# Altium PCB pay-ssm-v4-3.PcbDoc (part 3 of 4)
Units mm, origin at the board's own origin, x right, y up, seen from the top; angles counter-clockwise.
Board outline 127 x 55.12 mm, 6 copper layers (Top Layer, GND1, VCC, 3V3, GND2, Bottom Layer), stack 0.816 mm thick; 295 components, 220 nets, 1035 pads, 545 vias.
Unrouted connection lines stored in the file: 2.
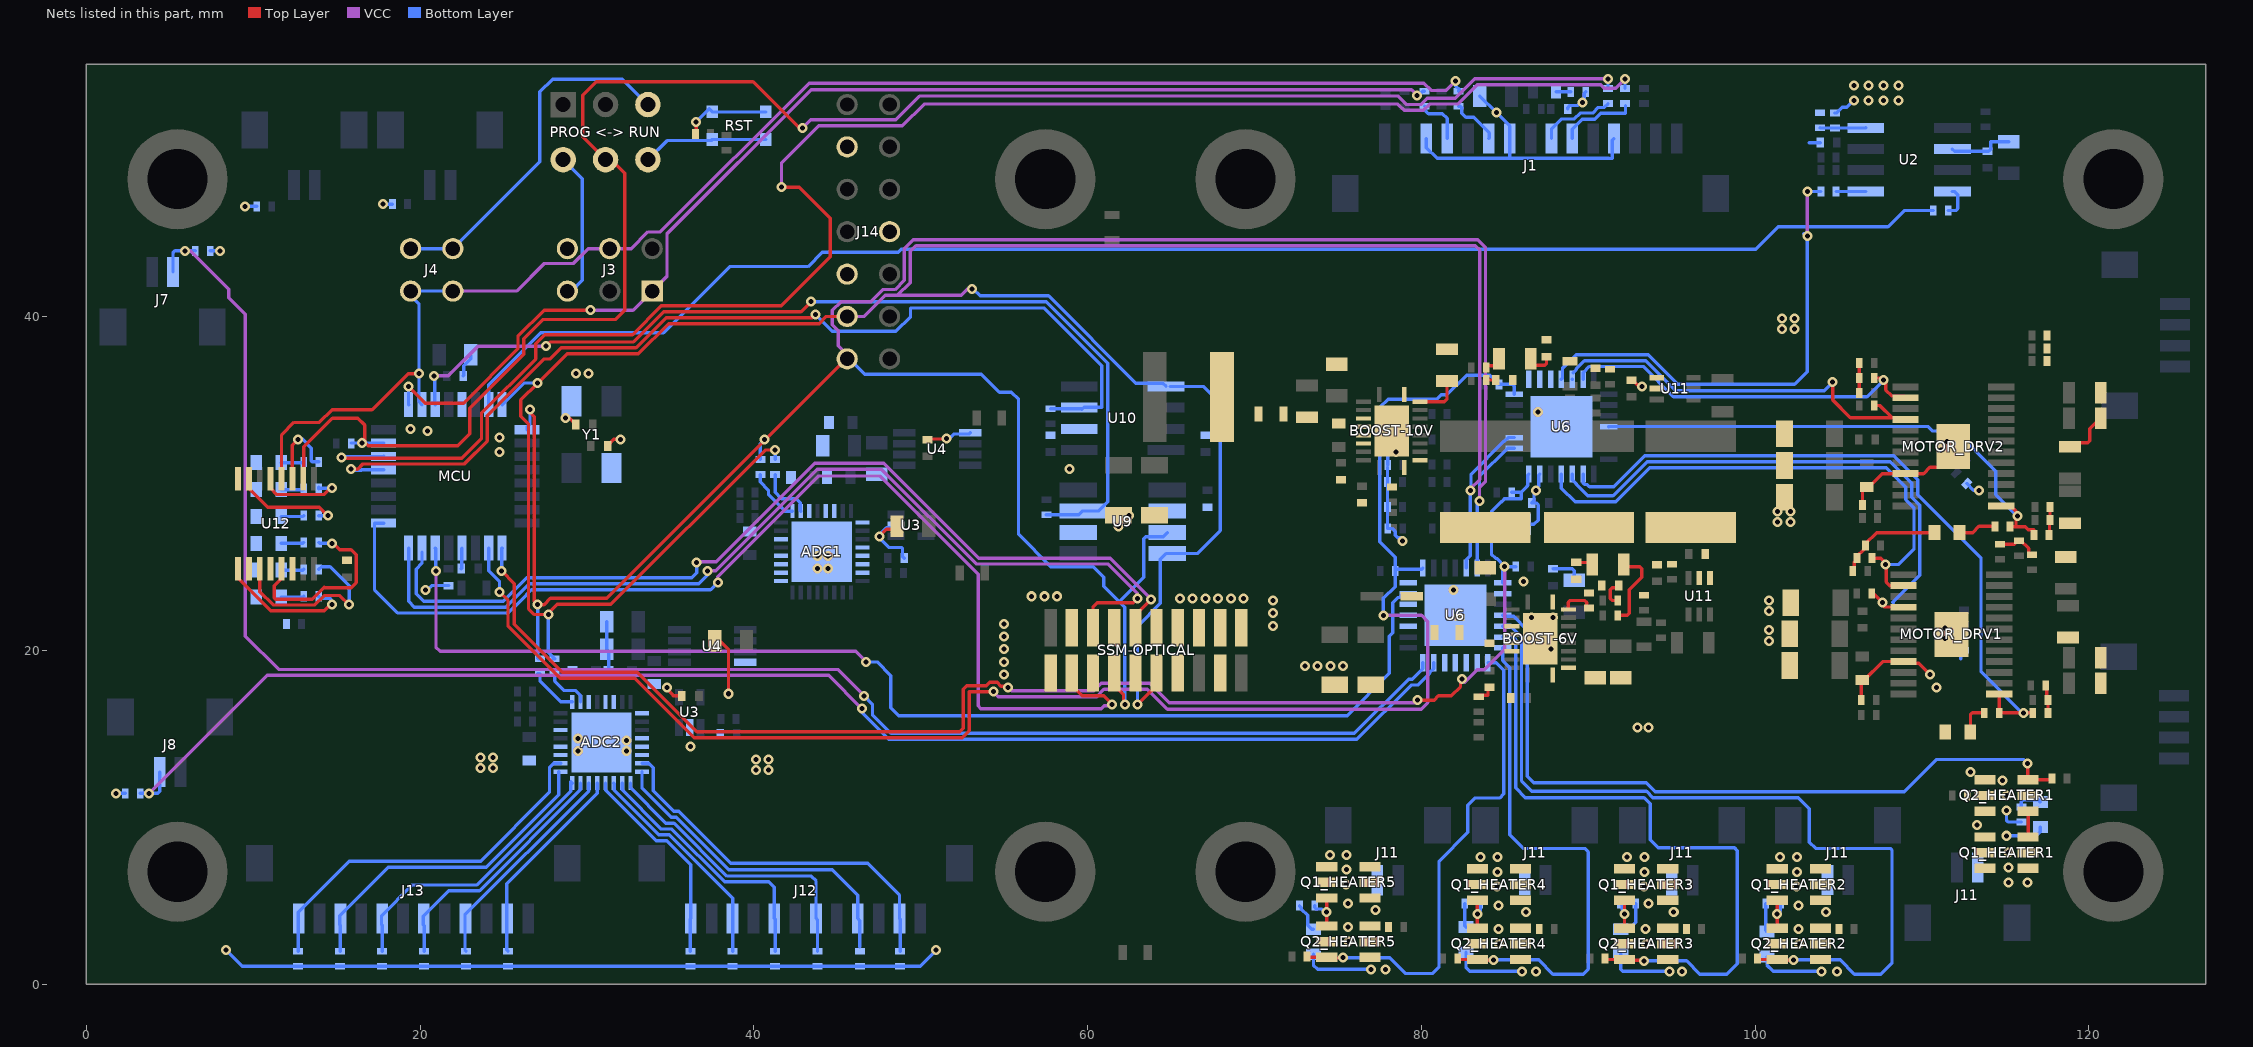
[diagram p7: the nets of this part, all layers, seen from the top]

## Via types
v1: diameter 0.6, hole 0.3, Top Layer to Bottom Layer, tented both sides, 545 vias

## Nets (pads, with @x,y where several pads share a name; then routed paths per layer and width w, separated by ;. In a path a pad name is that pad's centre, name@x,y a point inside that pad or via, vN(x,y) a via of type N, cw(c..) or ccw(c..) an arc to the next point about the centre after c; other vN are vias at no path point) (continued)
GND: ADC1.1 ADC1.4 ADC1.5 ADC1.6 ADC1.7 ADC1.17 ADC1.18 ADC1.19 ADC1.20 ADC1.22 ADC1.27 ADC1.30 ADC1.33 ADC2.1 ADC2.4 ADC2.5 ADC2.6 ADC2.19 ADC2.20 ADC2.22 ADC2.27 ADC2.30 ADC2.33 BOOST-6V.11 BOOST-6V.12 BOOST-6V.20 BOOST-6V.21 BOOST-10V.11 BOOST-10V.12 BOOST-10V.20 BOOST-10V.21 C1.1 C2.1 C3.1 C4.1 C5.1 C6.1 C7.1 C8.1 C9.1 C10.1 C11.1 C12.1 C13.1 C14.1 C15.1 C16.1 C17.1 C18.1 C20.1 C21.1 C22.1 C23.1 C24.1 C25.1 C26.1 C27.1 C28.1 C29.1 C30.1 C32.1 C33.1 C34.1 C35.1 C37.1 C38.1 C39.1 C40.2 C41.1 C41_Port_Expander1.1 C41_Port_Expander2.1 C42.2 C43.1 C44.2 C45.1 C46.1 C47.1 C48.1 C49.1 C50.1 C51.1 C52.1 C53.1 C55.1 D2.2 D3.2 D4.2 D5.2 D6.2 D7.2 D8_HEATER1.2 D8_HEATER2.2 D8_HEATER3.2 D8_HEATER4.2 D8_HEATER5.2 J1.3 J1.7 J1.12 J3.6 J14.3 J14.8 J14.9 MCU.5 MCU.20 MOTOR_DRV1.21 MOTOR_DRV1.25 MOTOR_DRV2.21 MOTOR_DRV2.25 nSLEEP.2 Q1_HEATER1.4 Q1_HEATER2.4 Q1_HEATER3.4 Q1_HEATER4.4 Q1_HEATER5.4 Q2_HEATER1.4 Q2_HEATER2.4 Q2_HEATER3.4 Q2_HEATER4.4 Q2_HEATER5.4 R18.1 R29.1 R34.1 R35.1 R44.2 R45.2 R46.2 R47.2 R50.1 R51.2 R52.1 R53.1 R54.1 R55.1 R56.1 R57.1 R58.1 R59.1 R60.1 R61.1 R62.1 R63.1 R72.1 R73.1 R74.1 R78_AmbientTemp.1 R78_BST6V.1 R78_BST10V.1 R78_MF_THM1_6.1 R78_MF_THM1_7.1 R78_MF_THM1_8.1 R78_MF_THM1_9.1 R78_MF_THM1_10.1 R78_MF_THM1_11.1 R78_MF_THM2_12.1 R78_MF_THM2_13.1 R78_MF_THM2_14.1 R78_MF_THM2_15.1 R78_MF_THM2_16.1 R78_MF_THM2_17.1 R78_MOT_DRV1.1 R78_MOT_DRV2.1 R79.1 R88.1 R93.1 R94.1 R95.1 RST.2 SSM-OPTICAL.2 SSM-OPTICAL.3 SSM-OPTICAL.6 SSM-OPTICAL.7 SSM-OPTICAL.10 SSM-OPTICAL.11 SSM-OPTICAL.13 SSM-OPTICAL.14 SSM-OPTICAL.15 SSM-OPTICAL.17 SSM-OPTICAL.18 SSM-OPTICAL.19 U2.2 U3.2 U4.4 U6.6 U6.29 U9.2 U9.6 U10.2 U11.1 U11.2 U12.8 Y1.2 Y1.4 | length 165.8
  Top Layer w0.2: v1(28.702,33.909) 28.956,33.909 C5.1@29.337,33.528 ; C6.1@31.234,32.258 31.615,32.639 v1(32.004,32.639) ; v1(34.798,17.78) 34.798,17.693 35.179,17.312 35.179,17.272 C10.1@35.695,17.272 ; R78_AmbientTemp.1@36.507,50.927 36.542,50.962 v1(36.542,51.655) ; C12.1@37.658,20.574 37.973,20.574 38.481,20.066 v1(38.481,17.399) ; v1(47.526,26.825) 47.95,27.249 48.397,27.249 C12.1@48.58,27.432 ; C10.1@50.419,32.631 50.45,32.662 51.512,32.662 v1(51.543,32.694) ; R78_BST6V.1@83.439,17.214 83.534,17.309 83.993,17.309 83.993,17.707 C32.1@84.074,17.788 ; C45.1@92.583,36.187 92.658,36.187 92.954,35.891 93.141,35.891 v1(93.218,35.814) ; R51.2@105.849,24.765 105.949,24.865 105.949,25.273 106.103,25.427 R52.1@106.103,25.527 106.103,25.627 106.511,26.035 106.511,26.189 R60.1@106.611,26.289 106.611,26.389 107.273,27.051 nSLEEP.2@110.744,27.051 ; R51.2@106.23,35.433 R52.1@106.23,36.322 R60.1@106.23,37.211 ; R50.1@106.357,17.018 106.357,18.154 C40.2@106.426,18.223 106.526,18.223 107.633,19.33 MOTOR_DRV1.21@108.89,19.33 108.995,19.225 109.807,19.225 v1(110.49,18.542) ; R50.1@106.43,28.702 106.43,29.58 106.63,29.78 C40.2@106.695,29.78 106.795,29.78 107.604,30.589 MOTOR_DRV2.21@109.006,30.589 110.091,30.589 110.476,30.974 110.963,30.974 111.876,31.886 MOTOR_DRV2.25@111.876,32.214 ; R61.1@114.681,26.358 115.517,26.358 115.724,26.565 R59.1@115.824,26.565 115.924,26.565 116.386,26.103 116.386,25.823 116.486,25.723 R58.1@116.586,25.723 ; R62.1@117.417,17.907 117.48,17.843 117.48,17.081 R63.1@117.544,17.018 R53.1@117.544,16.256 ; R53.1@117.613,26.924 117.642,26.953 117.642,27.784 R63.1@117.671,27.813 R62.1@117.671,28.575 ; R57.1@118.872,32.192 119.122,32.442 119.933,32.442 120.05,32.559 120.05,33.269 120.651,33.87 120.711,33.87 R54.1@120.711,33.909
  Bottom Layer w0.2: v1(1.778,11.43) R45.2@2.344,11.43 ; R44.2@7.435,43.942 v1(8.001,43.942) ; v1(8.382,2.032) 9.34,1.074 R78_MF_THM2_17.1@12.7,1.074 R78_MF_THM2_16.1@15.215,1.074 R78_MF_THM2_15.1@17.729,1.074 R78_MF_THM2_14.1@20.244,1.074 R78_MF_THM2_13.1@22.758,1.074 R78_MF_THM2_12.1@25.273,1.074 R78_MF_THM1_11.1@36.195,1.074 R78_MF_THM1_10.1@38.735,1.074 R78_MF_THM1_9.1@41.275,1.074 R78_MF_THM1_8.1@43.815,1.074 R78_MF_THM1_7.1@46.355,1.074 R78_MF_THM1_6.1@48.768,1.074 49.969,1.074 v1(50.927,2.032) ; v1@9.652,46.609 R46.2@10.218,46.609 ; v1(17.78,46.736) R47.2@18.346,46.736 ; v1(20.32,23.622) 20.428,23.622 20.69,23.884 C4.1@21.717,23.884 ; C3.1@22.479,24.892 22.498,24.911 22.498,26.104 MCU.20@22.516,26.123 ; C2.1@22.598,36.449 22.628,36.479 22.628,37.049 23.048,37.469 C1.1@23.048,37.719 ; C14.1@31.181,21.717 C18.1@31.181,20.066 31.304,19.943 C15.1@31.304,18.669 ; v1(36.542,51.655) 36.542,51.668 37.325,52.451 RST.2@37.516,52.26 RST.2@40.716,52.26 ; U3.2@48.523,27.482 48.388,27.347 47.946,27.347 47.526,26.927 v1(47.526,26.825) 47.526,26.738 48.101,26.162 48.874,26.162 48.909,26.127 48.909,25.632 C11.1@49.014,25.527 ; v1(51.543,32.694) 51.725,32.694 51.997,32.966 52.903,32.966 U4.4@52.972,33.035 ; D8_HEATER5.2@73.533,1.79 73.533,1.14 73.784,0.889 v1(76.989,0.889) ; R74.1@77.973,30.983 77.973,30.104 R74.1@77.967,30.099 R73.1@77.967,28.575 77.967,27.316 R72.1@77.978,27.305 78.242,27.305 78.426,27.121 78.426,26.9 78.573,26.753 78.794,26.753 78.867,26.68 v1(78.867,26.543) ; R74.1@77.973,31.11 R74.1@77.978,31.115 77.978,31.877 ; R72.1@77.978,34.163 R73.1@77.978,32.639 77.978,31.877 ; v1(78.486,31.877) 77.978,31.877 ; J1.3@80.297,50.673 80.297,50.123 80.943,49.477 85.297,49.477 ; D8_HEATER4.2@82.677,1.917 82.677,0.981 82.896,0.762 v1(86.017,0.762) ; C55.1@83.505,53.213 v1(84.488,52.23) 85.297,51.421 J1.7@85.297,50.673 85.297,49.477 ; C41_Port_Expander1.1@86.172,27.559 86.182,27.549 86.741,27.549 86.995,27.803 86.995,28.712 86.878,28.829 C41.1@86.622,28.829 86.747,28.954 86.747,29.343 86.878,29.473 v1(86.878,29.581) 86.878,29.69 87.027,29.839 87.027,30.501 U6.6@87.092,30.566 ; C41.1@87.884,24.884 87.892,24.892 89.037,24.892 89.154,24.775 C41_Port_Expander2.1@89.154,24.191 ; C53.1@88.765,52.451 88.765,52.526 88.89,52.651 89.373,52.651 89.554,52.832 v1(89.662,52.832) 89.662,52.94 89.758,53.036 89.758,53.367 R95.1@89.858,53.467 ; J1.12@91.547,50.673 91.44,50.566 91.44,49.473 91.243,49.473 91.239,49.477 85.297,49.477 ; D8_HEATER3.2@91.948,1.79 91.948,0.879 92.065,0.762 v1(94.869,0.762) ; D8_HEATER2.2@100.711,1.651 100.711,1.143 101.092,0.762 v1(103.982,0.762) ; 103.251,50.419 C9.1@103.894,50.419 ; R18.1@104.775,52.197 104.875,52.197 105.213,52.535 105.494,52.535 v1(105.918,52.959) ; U2.2@111.82,50.038 111.955,49.903 C8.1@113.919,49.903 113.987,49.903 114.112,50.028 114.112,50.48 C7.1@115.189,50.48 ; 112.322,19.485 112.322,19.897 112.422,19.997 R78_MOT_DRV1.1@112.522,19.997 ; R78_MOT_DRV2.1@112.676,29.998 113.083,29.591 v1(113.411,29.591) ; v1(115.062,8.89) 116.85,8.89 117.094,9.134 D8_HEATER1.2@117.094,9.41
  other v1: 86.868,0.762 95.631,0.762 104.902,0.762 77.851,0.889 86.271,4.318 95.123,4.318 104.236,4.318 77.243,4.445 84.62,4.699 102.585,4.699 75.592,4.826 93.599,4.826 113.284,9.525 114.808,12.192 112.903,12.7 40.132,12.827 40.894,12.827 23.622,12.954 24.384,12.954 40.132,13.462 40.894,13.462 23.622,13.589 24.384,13.589 29.464,13.97 32.385,13.97 36.195,14.224 32.385,14.605 29.464,14.732 92.964,15.367 93.599,15.367 110.871,17.78 54.991,18.542 73.025,19.05 73.787,19.05 74.549,19.05 75.311,19.05 54.991,19.304 54.991,20.066 87.757,20.066 100.838,20.574 111.379,20.701 54.991,20.828 100.838,21.209 111.379,21.336 71.12,21.463 54.991,21.59 86.614,21.971 87.884,21.971 71.12,22.225 100.838,22.352 71.12,22.987 100.838,22.987 65.532,23.114 66.294,23.114 67.056,23.114 67.818,23.114 68.58,23.114 69.342,23.114 56.642,23.241 57.404,23.241 58.166,23.241 81.915,23.622 86.106,24.13 43.815,24.892 44.45,24.892 43.815,25.654 44.45,25.654 61.849,27.432 101.346,27.686 102.108,27.686 62.484,28.067 101.346,28.321 102.108,28.321 58.928,30.861 24.765,31.877 111.125,32.004 111.506,32.512 24.765,32.766 20.447,33.147 19.431,33.274 86.995,34.29 29.337,36.576 30.099,36.576 101.6,39.243 102.362,39.243 101.6,39.878 102.362,39.878 9.525,46.609 106.807,52.959 107.696,52.959 108.585,52.959 105.918,53.848 106.807,53.848 107.696,53.848 108.585,53.848
GPA0_Port_Expander1: U6.17@87.742,36.236
GPA0_Port_Expander2: U6.17@79.207,22.748
GPA1_Port_Expander2: U6.18@79.207,22.098
GPA2_Port_Expander1: MOTOR_DRV2.16 R48.1@107.13,34.671 U6.19@89.042,36.236 | length 24.1
  Top Layer w0.2: v1(104.648,36.068) 104.648,35.001 105.711,33.938 108.21,33.938 ; R48.1@107.13,34.671 107.477,34.671 108.21,33.938 ; MOTOR_DRV2.16@109.006,33.839 108.907,33.938 108.21,33.938
  Bottom Layer w0.2: U6.19@89.042,36.236 U6.19@89.058,36.252 ; U6.19@89.094,36.643 89.275,36.824 89.275,36.861 89.775,37.361 93.449,37.361 95.25,35.56 104.14,35.56 v1(104.648,36.068)
GPA2_Port_Expander2: U6.19@79.207,21.448
GPA3_Port_Expander1: MOTOR_DRV2.14 R52.2@107.13,36.322 U6.20@89.692,36.236 | length 22.4
  Top Layer w0.2: R52.2@107.13,36.322 107.569,36.322 v1(107.696,36.195) 107.823,36.068 107.823,35.597 108.176,35.244 108.901,35.244 MOTOR_DRV2.14@109.006,35.139
  Bottom Layer w0.2: U6.20@89.692,36.236 89.692,36.628 90.072,37.008 93.303,37.008 95.107,35.204 106.705,35.204 v1(107.696,36.195)
GPA5_Port_Expander2: J7.2 R44.1 U6.22@80.092,19.263 | length 102.6
  VCC w0.2: v1(5.925,43.942) 6.223,43.942 8.538,41.627 8.538,41.129 8.89,40.777 8.89,40.764 9.525,40.129 9.525,20.847 11.519,18.853 45.028,18.853 v1(46.609,17.272)
  Bottom Layer w0.2: J7.2@5.197,42.672 5.197,43.825 5.314,43.942 v1(5.925,43.942) R44.1@6.535,43.942 ; v1(46.609,17.272) 47.107,16.774 47.107,16.139 48.219,15.027 75.987,15.027 79.235,18.275 79.459,18.275 80.092,18.908 U6.22@80.092,19.263
GPA6_Port_Expander2: J8.2 R45.1 U6.23@80.742,19.263 | length 85.9
  VCC w0.2: v1(3.764,11.43) 10.835,18.501 44.491,18.501 v1(46.482,16.51)
  Bottom Layer w0.2: R45.1@3.244,11.43 v1(3.764,11.43) 4.284,11.43 4.401,11.547 J8.2@4.401,12.702 ; v1@46.492,16.256 48.073,14.675 76.133,14.675 79.381,17.923 79.794,17.923 80.509,18.638 80.509,18.675 80.742,18.908 U6.23@80.742,19.263
GPA7_Port_Expander2: U6.24@81.392,19.263
GPB0_Port_Expander1: MOTOR_DRV2.1 R53.2@116.713,26.924 R64.1@115.273,27.432 U6.25@91.227,33.401 | length 31
  Top Layer w0.2: MOTOR_DRV2.1@114.746,28.639 115.326,28.639 115.631,28.334 ; R64.1@115.273,27.432 115.3,27.405 115.631,27.405 v1@115.631,28.067 ; 115.697,27.405 116.192,27.405 116.361,27.236 116.713,27.236 R53.2@116.713,26.924
  Bottom Layer w0.2: U6.25@91.227,33.401 91.24,33.414 110.35,33.414 110.617,33.147 112.024,33.147 114.427,30.744 114.427,29.337 v1(115.719,28.045)
GPB0_Port_Expander2: U6.25@82.042,19.263
GPB1_Port_Expander2: U6.26@82.692,19.263
GPB2_Port_Expander2: U6.27@83.342,19.263
GPB5_Port_Expander1: MOTOR_DRV1.1 R53.2@116.644,16.256 R64.1@114.623,16.256 U6.2@89.692,30.566 | length 41.8
  Top Layer w0.2: MOTOR_DRV1.1@114.63,17.38 114.623,17.373 R64.1@114.623,16.256 v1(116.078,16.256) R53.2@116.644,16.256
  Bottom Layer w0.2: U6.2@89.692,30.566 89.692,30.022 89.773,29.941 89.925,29.941 90.072,29.794 91.525,29.794 93.383,31.652 108.302,31.652 109.736,30.218 109.736,29.329 113.538,25.527 113.538,18.704 115.986,16.256 v1(116.078,16.256)
GPB6_Port_Expander1: MOTOR_DRV1.16 R48.1@106.994,23.405 U6.3@89.042,30.566 | length 32.5
  Top Layer w0.2: R48.1@107.04,23.451 v1(107.619,22.872) ; 107.746,22.593 108.877,22.593 MOTOR_DRV1.16@108.89,22.58
  Bottom Layer w0.2: U6.3@89.042,30.566 89.042,30.211 89.275,29.978 89.275,29.941 89.962,29.254 91.484,29.254 91.671,29.441 93.529,31.299 108.093,31.299 109.383,30.008 109.383,29.183 109.871,28.696 109.871,24.488 108.254,22.872 108.267,22.86
GPB7_Port_Expander1: MOTOR_DRV1.14 R52.2@107.003,25.527 U6.4@88.392,30.566 | length 32.2
  Top Layer w0.2: R52.2@107.13,25.527 107.529,25.527 v1@107.853,25.203 ; v1@107.853,25.146 107.853,24.094 108.067,23.88 MOTOR_DRV1.14@108.89,23.88
  Bottom Layer w0.2: U6.4@88.392,30.566 88.392,29.718 89.208,28.902 91.64,28.902 93.685,30.947 107.864,30.947 109.031,29.78 109.031,29.037 109.518,28.55 109.518,26.06 108.604,25.146 v1(107.823,25.146)
GPIO_ADS79521: ADC1.29
GPIO_ADS79522: ADC2.29
HEATER_EN_HEATER1_N: Q2_HEATER1.3 R66_HEATER1.1 U6.4@84.877,22.098 | length 44.3
  Top Layer w0.2: v1(116.332,13.208) 116.332,12.268 Q2_HEATER1.3@116.357,12.243 117.711,12.243 R66_HEATER1.1@117.787,12.319
  Bottom Layer w0.2: U6.4@84.877,22.098 84.942,22.033 85.536,22.033 86.354,21.215 86.354,12.452 86.741,12.065 93.484,12.065 94.021,11.528 108.937,11.528 110.871,13.462 116.078,13.462 v1(116.332,13.208)
HEATER_EN_HEATER2_N: Q2_HEATER2.3 R66_HEATER2.1 U6.3@84.877,21.448 | length 50.7
  Top Layer w0.2: R66_HEATER2.1@100.145,1.524 100.196,1.473 101.054,1.473 101.092,1.435 102.273,1.435 v1(102.295,1.457)
  Bottom Layer w0.2: U6.3@84.877,21.448 85.349,21.448 86.002,20.796 86.002,12.169 86.614,11.557 93.494,11.557 93.875,11.176 102.587,11.176 103.251,10.512 103.251,8.509 103.632,8.128 108.087,8.128 108.204,8.011 108.204,1.27 107.534,0.6 105.953,0.6 105.096,1.457 v1(102.295,1.457) v1@102.362,1.524
HEATER_EN_HEATER3_N: Q2_HEATER3.3 R66_HEATER3.1 U6.2@84.877,20.798 | length 41.4
  Top Layer w0.2: R66_HEATER3.1@91.001,1.524 91.052,1.473 92.1,1.473 92.177,1.397 92.215,1.435 93.307,1.435 v1(93.345,1.397)
  Bottom Layer w0.2: U6.2@84.877,20.798 84.907,20.828 85.471,20.828 85.649,20.65 85.649,11.76 86.233,11.176 93.345,11.176 93.708,10.813 93.708,8.654 94.191,8.171 98.763,8.171 98.933,8.001 98.933,1.225 98.308,0.6 96.688,0.6 95.891,1.397 v1(93.345,1.397) v1@93.218,1.524
HEATER_EN_HEATER4_N: Q2_HEATER4.3 R66_HEATER4.1 U6.1@84.877,20.148 | length 32
  Top Layer w0.2: R66_HEATER4.1@82.18,1.524 82.231,1.473 83.089,1.473 83.127,1.435 84.308,1.435 v1(84.33,1.457)
  Bottom Layer w0.2: v1@84.397,1.524 v1(84.33,1.457) 87.027,1.457 87.884,0.6 89.696,0.6 89.999,0.903 89.999,7.918 89.789,8.128 86.106,8.128 85.297,8.937 85.297,18.97 84.877,19.39 U6.1@84.877,20.148
HEATER_EN_HEATER5_N: Q2_HEATER5.3 R66_HEATER5.1 U6.28@83.992,19.263 | length 29.9
  Top Layer w0.2: R66_HEATER5.1@73.152,1.651 73.203,1.6 74.061,1.6 74.099,1.562 75.28,1.562 v1(75.302,1.584)
  Bottom Layer w0.2: v1(75.302,1.584) 78.103,1.584 79.052,0.635 80.645,0.635 81.059,1.049 81.059,7.366 81.063,7.366 82.787,9.09 82.787,10.73 83.209,11.152 84.685,11.152 84.945,11.412 84.945,18.814 84.496,19.263 U6.28@83.992,19.263
HEATER_EN_PU_HEATER1: Q1_HEATER1.3 Q2_HEATER1.1 Q2_HEATER1.2 Q2_HEATER1.5 Q2_HEATER1.6 R65_HEATER1.1 R96_HEATER1.1 | length 3.1
  Top Layer w0.2: Q1_HEATER1.3@116.357,8.814 Q2_HEATER1.1@116.357,10.363
  Bottom Layer w0.2: v1(115.062,10.414) 115.062,9.827 115.179,9.71 R96_HEATER1.1@115.951,9.71
  other v1: 115.062,11.303
HEATER_EN_PU_HEATER2: Q1_HEATER2.3 Q2_HEATER2.1 Q2_HEATER2.2 Q2_HEATER2.5 Q2_HEATER2.6 R65_HEATER2.1 R96_HEATER2.1 | length 2.4
  Top Layer w0.2: Q2_HEATER2.1@101.321,3.353 Q1_HEATER2.3@101.321,5.029
  Bottom Layer w0.2: v1(101.321,4.191) 101.507,4.378 101.507,4.791 R96_HEATER2.1@101.542,4.826
  other v1: 102.616,2.413 102.585,3.302
HEATER_EN_PU_HEATER3: Q1_HEATER3.3 Q2_HEATER3.1 Q2_HEATER3.2 Q2_HEATER3.5 Q2_HEATER3.6 R65_HEATER3.1 R96_HEATER3.1 | length 2.4
  Top Layer w0.2: Q2_HEATER3.1@92.177,3.353 v1(92.177,4.191) Q1_HEATER3.3@92.177,5.029
  Bottom Layer w0.2: R96_HEATER3.1@91.937,4.826 92.037,4.726 92.037,4.439 92.177,4.299 v1(92.177,4.191)
  other v1: 93.472,2.413 93.441,3.302
HEATER_EN_PU_HEATER4: Q1_HEATER4.3 Q2_HEATER4.1 Q2_HEATER4.2 Q2_HEATER4.5 Q2_HEATER4.6 R65_HEATER4.1 R96_HEATER4.1 | length 2.4
  Top Layer w0.2: Q2_HEATER4.1@83.356,3.353 Q1_HEATER4.3@83.356,5.029
  Bottom Layer w0.2: v1(83.356,4.191) 83.542,4.378 83.542,4.791 R96_HEATER4.1@83.577,4.826
  other v1: 84.651,2.413 84.62,3.302
HEATER_EN_PU_HEATER5: Q1_HEATER5.3 Q2_HEATER5.1 Q2_HEATER5.2 Q2_HEATER5.5 Q2_HEATER5.6 R65_HEATER5.1 R96_HEATER5.1 | length 2.6
  Top Layer w0.2: Q2_HEATER5.1@74.328,3.48 v1(74.328,4.318) Q1_HEATER5.3@74.328,5.156
  Bottom Layer w0.2: R96_HEATER5.1@73.602,4.699 73.602,4.599 73.702,4.499 74.038,4.499 74.219,4.318 v1(74.328,4.318)
  other v1: 75.623,2.54 75.592,3.429
HM_CSn: MCU.29 R77.1 U10.3 | length 60.1
  Top Layer w0.2: v1(15.875,30.861) 16.256,30.861 16.561,31.166 22.657,31.166 24.032,32.541 24.032,34.065 27.422,37.455 27.784,37.455 28.457,38.129 32.941,38.129 34.749,39.937 43.493,39.937 v1(43.688,40.132)
  Bottom Layer w0.2: v1(15.875,30.861) 15.875,30.772 16.459,30.772 16.51,30.823 MCU.29@17.816,30.823 ; v1(43.688,40.132) 44.702,39.118 48.514,39.118 49.393,39.997 49.393,40.513 57.394,40.513 60.855,37.052 60.855,34.573 59.786,34.573 59.66,34.447 59.621,34.486 R77.1@57.785,34.486
ILIM: BOOST-10V.19 R29.2 | length 2.8
  Top Layer w0.2: BOOST-10V.19@79.917,34.897 81.379,34.897 81.534,35.052 R29.2@81.534,36.134
ILIM2: BOOST-6V.19 R88.2 | length 2
  Top Layer w0.2: BOOST-6V.19@88.807,22.451 88.807,22.87 88.924,22.987 89.482,22.987 89.485,22.985 89.799,22.985 89.916,22.867 89.916,22.637 90.016,22.537 R88.2@90.043,22.537
IN4: U12.10
IN5: U12.12
IN6: U12.14
IND_BOOST: L2.2 R25.1
IND_BOOST2: L3.2 R38.1
IND_BOOST2_SENSE: BOOST-6V.4 BOOST-6V.5 BOOST-6V.6 BOOST-6V.7 C31.2 R38.2 R39.2
IND_BOOST_SENSE: BOOST-10V.4 BOOST-10V.5 BOOST-10V.6 BOOST-10V.7 C19.2 R25.2 R26.2
INTA_PEX1: U6.16@87.092,36.236
INTB_PEX1: U6.15@86.442,36.236
INTB_PEX2: U6.15@79.207,24.048
LBK: R15.2 U6.18@88.392,36.236 | length 28.7
  VCC w0.2: v1(103.124,44.828) v1(103.124,47.498)
  Bottom Layer w0.2: U6.18@88.392,36.236 88.457,36.301 88.457,36.895 89.281,37.719 93.589,37.719 95.367,35.941 102.362,35.941 103.124,36.703 v1(103.124,44.828) 102.994,44.958 102.994,44.882 v1@102.918,44.958 ; v1(103.124,47.498) R15.2@103.944,47.498
LBK_R: R15.1 U2.5 | length 1.8
  Bottom Layer w0.2: R15.1@104.844,47.498 U2.5@106.62,47.498
LED1: D2.1 R80.1 | length 1.4
  Bottom Layer w0.2: D2.1@11.684,31.242 12.983,31.242 R80.1@13.036,31.295
LED2: D3.1 R81.1 | length 1.4
  Bottom Layer w0.2: D3.1@11.684,29.631 12.983,29.631 R81.1@13.036,29.684
LED3: D4.1 R82.1 | length 1.4
  Bottom Layer w0.2: D4.1@11.684,28.021 12.983,28.021 R82.1@13.036,28.073
LED4: D5.1 R83.1 | length 1.4
  Bottom Layer w0.2: D5.1@11.684,23.19 12.985,23.19 R83.1@13.036,23.241
LED5: D6.1 R84.1 | length 1.4
  Bottom Layer w0.2: D6.1@11.684,24.801 12.985,24.801 R84.1@13.036,24.852
LED6: D7.1 R85.1 | length 1.4
  Bottom Layer w0.2: D7.1@11.684,26.412 12.985,26.412 R85.1@13.036,26.462
MF1_THM1: ADC2.7 J12.2 R78_MF_THM1_6.2 | length 22.9
  Bottom Layer w0.2: ADC2.7@33.296,13.228 33.703,13.228 33.968,12.963 33.968,11.579 35.196,10.351 35.512,10.351 38.625,7.239 46.833,7.239 48.728,5.344 J12.2@48.728,3.937 48.768,3.897 R78_MF_THM1_6.2@48.768,1.974
MF1_THM2: ADC2.8 J12.4 R78_MF_THM1_7.2 | length 19.7
  Bottom Layer w0.2: ADC2.8@33.296,12.728 33.296,11.753 35.05,9.999 35.366,9.999 38.507,6.858 44.704,6.858 46.228,5.334 J12.4@46.228,3.937 46.355,3.81 46.355,2.228
MF1_THM3: ADC2.9 J12.6 R78_MF_THM1_8.2 | length 18
  Bottom Layer w0.2: ADC2.9@32.611,12.043 32.611,11.753 34.717,9.647 35.22,9.647 38.39,6.477 43.434,6.477 43.728,6.183 J12.6@43.728,3.937 43.815,3.85 R78_MF_THM1_8.2@43.815,1.974
MF1_THM4: ADC2.10 J12.8 R78_MF_THM1_9.2 | length 15.8
  Bottom Layer w0.2: ADC2.10@32.111,12.043 32.111,11.636 34.453,9.294 35.074,9.294 38.244,6.125 40.898,6.125 41.228,5.795 J12.8@41.228,3.937 41.275,3.89 R78_MF_THM1_9.2@41.275,1.974
MF1_THM5: ADC2.11 J12.10 R78_MF_THM1_10.2 | length 13.4
  Bottom Layer w0.2: ADC2.11@31.611,12.043 31.64,12.014 31.64,11.607 34.305,8.942 34.929,8.942 38.728,5.142 J12.10@38.728,3.937 38.735,3.93 R78_MF_THM1_10.2@38.735,1.974
MF1_THM6: ADC2.12 J12.12 R78_MF_THM1_11.2 | length 12.6
  Bottom Layer w0.2: ADC2.12@31.111,12.043 31.111,11.636 34.158,8.589 34.783,8.589 36.228,7.144 J12.12@36.228,3.937 36.195,3.904 R78_MF_THM1_11.2@36.195,1.974
MF2_THM1: ADC2.13 J13.2 R78_MF_THM2_12.2 | length 12.3
  Bottom Layer w0.2: R78_MF_THM2_12.2@25.273,1.974 25.193,2.054 25.193,3.556 25.193,6.016 30.611,11.434 ADC2.13@30.611,12.043
MF2_THM2: ADC2.14 J13.4 R78_MF_THM2_13.2 | length 13.2
  Bottom Layer w0.2: R78_MF_THM2_13.2@22.758,1.974 22.693,2.039 22.693,3.556 22.693,4.151 30.111,11.569 ADC2.14@30.111,12.043
MF2_THM3: ADC2.15 J13.6 R78_MF_THM2_14.2 | length 15.1
  Bottom Layer w0.2: R78_MF_THM2_14.2@20.244,1.974 20.244,3.505 20.193,3.556 20.193,4.064 21.717,5.588 23.563,5.588 29.611,11.636 ADC2.15@29.611,12.043
MF2_THM4: ADC2.16 J13.8 R78_MF_THM2_15.2 | length 17.3
  Bottom Layer w0.2: R78_MF_THM2_15.2@17.729,1.974 17.729,3.52 17.693,3.556 17.693,4.106 19.527,5.94 23.417,5.94 29.032,11.555 29.032,12.043 29.032,12.122 ADC2.16@29.111,12.043
MF2_THM5: ADC2.17 J13.10 R78_MF_THM2_16.2 | length 19.7
  Bottom Layer w0.2: R78_MF_THM2_16.2@15.215,1.974 15.215,3.534 15.193,3.556 15.193,4.106 18.082,6.995 23.973,6.995 28.321,11.343 ADC2.17@28.321,12.728
MF2_THM6: ADC2.18 J13.12 R78_MF_THM2_17.2 | length 22.6
  Bottom Layer w0.2: R78_MF_THM2_17.2@12.7,1.974 12.7,3.549 12.693,3.556 12.693,4.311 15.748,7.366 23.632,7.366 27.754,11.488 27.754,12.963 28.019,13.228 ADC2.18@28.426,13.228
MISO: J14.11 MCU.8 R20.1 SSM-OPTICAL.12 U6.10 U9.8 U10.5 | length 170.3
  Top Layer w0.2: v1(41.275,32.004) 40.675,32.004 31.433,22.762 28.223,22.762 27.686,22.225 v1(27.686,22.146) 26.857,22.146 26.499,22.504 26.499,33.572 26.039,34.032 26.039,35.005 v1(27.051,36.017) 28.81,37.776 33.087,37.776 34.89,39.58 43.917,39.58 44.342,40.005 45.241,40.005 J14.11@45.593,39.653 ; v1(62.992,16.764) 63.416,17.188 63.431,17.188 64.135,17.892 SSM-OPTICAL.12@64.135,18.641
  VCC w0.2: J14.11@45.593,40.005 46.614,40.005 47.877,41.267 48.609,41.267 ; v1(53.086,41.656) 52.832,41.656 52.443,41.267 48.609,41.267 ; v1(82.931,29.591) 82.931,29.678 83.489,30.235 83.489,35.169 83.503,35.184 83.503,35.642 83.489,35.657 83.489,44.001 83.237,44.253 49.714,44.253 49.373,43.912 49.373,42.031 48.609,41.267
  Bottom Layer w0.2: MCU.8@24.916,34.723 26.21,36.017 v1(27.051,36.017) ; v1(27.686,22.146) 27.686,19.881 R20.1@28.067,19.5 R20.1@27.967,19.5 ; R20.1@41.275,31.438 v1(41.275,32.004) ; v1(53.086,41.656) 53.086,41.757 53.163,41.833 53.163,41.648 53.565,41.245 57.659,41.245 62.89,36.014 64.503,36.014 U10.5@64.703,35.814 ; v1(62.992,16.764) 62.992,21.454 64.347,22.809 64.347,25.451 64.697,25.801 U9.8@64.786,25.801 66.568,25.801 67.945,27.178 67.945,34.798 66.929,35.814 U10.5@64.957,35.814 ; U6.10@82.692,24.933 82.692,25.415 82.931,25.654 v1(82.931,29.591) 82.975,29.635 82.975,30.561 84.932,32.518 84.969,32.518 85.202,32.751 U6.10@85.557,32.751
MISO_A: J3.1 MCU.1 R4.2 | length 72.4
  Top Layer w0.2: v1(19.304,35.814) 20.32,34.798 22.606,34.798 25.867,38.059 25.867,38.811 27.437,40.381 v1(30.221,40.381)
  VCC w0.2: v1(30.221,40.381) 32.761,40.381 J3.1@33.909,41.529 34.798,42.418 34.798,44.958 43.434,53.594 79.411,53.594 v1(79.746,53.259)
  Bottom Layer w0.2: v1(19.304,35.814) 19.31,35.808 19.31,34.729 MCU.1@19.316,34.723 ; v1(79.746,53.259) 79.845,53.259 80.093,53.507 R4.2@80.193,53.507
MISO_A_R: J1.4 R4.1 | length 3
  Bottom Layer w0.2: R4.1@80.193,52.607 80.264,52.535 80.264,52.314 80.424,52.154 81.263,52.154 81.547,51.87 J1.4@81.547,50.673
MISO_R_ADC1: ADC1.26 R20.2@41.275,30.538 | length 3.4
  Bottom Layer w0.2: R20.2@41.275,30.538 41.275,29.464 41.656,29.083 42.545,29.083 42.789,28.839 42.789,28.373 ADC1.26@42.819,28.343
MISO_R_ADC2: ADC2.26 R20.2@28.067,18.6 | length 2.7
  Bottom Layer w0.2: R20.2@28.067,18.6 28.067,18.161 28.639,17.59 29.341,17.59 29.611,17.32 ADC2.26@29.611,16.913
MOSI: J14.13 MCU.9 R22.1 SSM-OPTICAL.8 U6.9 U9.7 | length 153.3
  Top Layer w0.2: v1(26.591,34.417) 26.591,34.252 26.851,33.992 26.851,22.933 v1(27.051,22.733) 27.432,22.733 27.813,23.114 31.179,23.114 45.53,37.465 J14.13@45.593,37.465 ; SSM-OPTICAL.8@61.595,18.641 61.595,17.892 62.153,17.333 62.153,16.841 v1(62.23,16.764)
  VCC w0.2: J14.13@45.593,37.465 45.593,37.717 45.058,38.252 45.058,39.155 44.706,39.507 44.706,40.373 45.227,40.894 47.005,40.894 47.731,41.62 48.463,41.62 49.02,42.177 49.02,44.077 49.549,44.606 83.383,44.606 83.738,44.25 83.841,44.147 83.841,35.802 83.856,35.788 83.856,35.038 83.841,35.023 83.841,30.089 83.483,29.732 v1(83.483,28.956)
  Bottom Layer w0.2: MCU.9@26.416,33.223 26.416,33.398 26.591,33.573 v1(26.591,34.417) ; v1(27.051,22.733) 27.051,19.527 27.078,19.5 R22.1@27.178,19.5 ; R22.1@40.386,31.438 40.386,32.385 v1(40.64,32.639) ; J14.13@45.593,37.465 45.72,37.465 46.638,36.547 53.633,36.547 54.718,35.462 55.439,35.462 55.864,35.036 55.864,26.949 57.795,25.019 60.325,25.019 60.973,24.371 60.973,23.844 62.23,22.587 v1(62.23,16.764) ; 61.935,22.946 63.373,24.384 63.373,26.68 63.49,26.797 64.532,26.797 U9.7@64.786,27.051 ; U6.9@83.342,24.933 83.342,28.815 v1(83.483,28.956) 83.483,30.419 85.165,32.101 U6.9@85.557,32.101
MOSI_A/TX: J3.4 J4.2 J4.4 MCU.2 R6.2 U12.4 | length 88.4
  Top Layer w0.2: U12.4@11.699,30.292 11.699,32.908 12.446,33.655 13.97,33.655 14.732,34.417 17.126,34.417 19.285,36.576 v1(19.939,36.576)
  VCC w0.2: J4.2@21.971,41.529 25.781,41.529 27.432,43.18 29.195,43.18 30.084,44.069 J3.4@31.369,44.069 32.654,44.069 33.655,45.07 34.402,45.07 43.307,53.975 80.155,53.975 80.581,53.55 81.49,53.55 v1(82.042,54.102)
  Bottom Layer w0.2: MCU.2@20.116,34.723 19.939,34.9 v1(19.939,36.576) 19.939,40.731 19.431,41.239 J4.4@19.431,41.529 J4.2@21.971,41.529 ; v1(82.042,54.102) 82.042,53.832 82.296,53.578 R6.2@82.225,53.507
MOSI_A/TX_R: J1.6 R6.1 | length 3
  Bottom Layer w0.2: R6.1@82.225,52.607 82.323,52.607 82.423,52.507 82.423,52.187 82.54,52.07 82.672,51.938 83.139,51.938 84.074,51.003 84.074,50.7 J1.6@84.047,50.673
MOSI_R_ADC1: ADC1.25 R22.2@40.386,30.538 | length 3.2
  Bottom Layer w0.2: R22.2@40.386,30.538 40.386,30.099 40.879,29.606 40.879,29.352 41.888,28.343 ADC1.25@42.319,28.343
MOSI_R_ADC2: ADC2.25 R22.2@27.178,18.6 | length 3
  Bottom Layer w0.2: R22.2@27.051,18.6 27.191,18.6 27.191,18.148 28.426,16.913 ADC2.25@29.111,16.913
NetC26_2: C26.2 R33.1 | length 1.6
  Top Layer w0.2: R33.1@86.548,37.465 86.548,37.334 86.798,37.084 87.386,37.084 87.503,37.201 C26.2@87.503,37.6
NetC29_2: C29.2 R31.1 | length 0.6
  Top Layer w0.2: R31.1@83.889,36.195 C29.2@84.463,36.195
NetC48_2: C48.2 R92.1 | length 1
  Top Layer w0.2: C48.2@89.281,25.265 90.117,25.265 R92.1@90.236,25.146
NetC51_2: C51.2 R90.1 | length 1.6
  Top Layer w0.2: R90.1@91.763,22.987 91.433,22.987 91.315,23.104 91.315,23.624 91.44,23.749 91.688,23.749 91.813,23.874 C51.2@91.813,23.876
NetC54_1: C54.1 R95.2 | length 0.9
  Bottom Layer w0.2: C54.1@88.076,53.467 R95.2@88.958,53.467
NetD1_MOTOR_DRV1_1: nSLEEP.1@112.891,15.113 R64.2@113.723,16.256 | length 1.9
  Top Layer w0.2: nSLEEP.1@112.891,15.113 112.903,15.125 112.903,16.139 113.02,16.256 R64.2@113.723,16.256
NetD1_MOTOR_DRV2_1: nSLEEP.1@112.244,27.051 R64.2@114.373,27.432 | length 2.3
  Top Layer w0.2: nSLEEP.1@112.244,27.051 113.03,27.051 113.411,27.432 R64.2@114.373,27.432
NetD8_HEATER1_1: D8_HEATER1.1 R96_HEATER1.2 | length 1.6
  Bottom Layer w0.2: R96_HEATER1.2@115.951,10.61 115.951,10.932 116.068,11.049 116.955,11.049 D8_HEATER1.1@117.094,10.91
NetD8_HEATER2_1: D8_HEATER2.1 R96_HEATER2.2 | length 1.7
  Bottom Layer w0.2: R96_HEATER2.2@100.642,4.826 100.642,3.22 D8_HEATER2.1@100.711,3.151
NetD8_HEATER3_1: D8_HEATER3.1 R96_HEATER3.2 | length 1.8
  Bottom Layer w0.2: D8_HEATER3.1@92.329,3.29 92.429,3.29 92.837,3.698 R96_HEATER3.2@92.837,4.826
NetD8_HEATER4_1: D8_HEATER4.1 R96_HEATER4.2 | length 1.4
  Bottom Layer w0.2: R96_HEATER4.2@82.608,4.826 82.608,3.486 D8_HEATER4.1@82.677,3.417
NetD8_HEATER5_1: D8_HEATER5.1 R96_HEATER5.2 | length 1.8
  Bottom Layer w0.2: R96_HEATER5.2@72.702,4.699 72.702,4.672 72.802,4.572 72.802,4.499 73.183,4.118 73.183,3.54 73.433,3.29 D8_HEATER5.1@73.533,3.29
NetJ11_HEATER1_2: J11.2@113.347,6.983 Q1_HEATER1.1 Q1_HEATER1.2 Q1_HEATER1.5 Q1_HEATER1.6
  other v1: 115.189,6.096 116.332,6.096 115.189,6.985 115.189,7.874
NetJ11_HEATER2_2: J11.2@104.331,6.225 Q1_HEATER2.1 Q1_HEATER2.2 Q1_HEATER2.5 Q1_HEATER2.6
  other v1: 102.489,5.842 102.52,6.731 101.504,7.62 102.52,7.62
NetJ11_HEATER3_2: J11.2@95.006,6.223 Q1_HEATER3.1 Q1_HEATER3.2 Q1_HEATER3.5 Q1_HEATER3.6
  other v1: 93.345,5.842 93.376,6.731 92.329,7.62 93.376,7.62
NetJ11_HEATER4_2: J11.2@86.189,6.225 Q1_HEATER4.1 Q1_HEATER4.2 Q1_HEATER4.5 Q1_HEATER4.6
  other v1: 84.524,5.842 84.555,6.731 83.539,7.62 84.555,7.62
NetJ11_HEATER5_2: J11.2@77.363,6.223 Q1_HEATER5.1 Q1_HEATER5.2 Q1_HEATER5.5 Q1_HEATER5.6
  other v1: 75.496,5.969 75.527,6.858 74.511,7.747 75.527,7.747
NetR27_1: R27.1 R33.2 | length 1.1
  Top Layer w0.2: R27.1@83.889,36.957 83.889,37.057 84.298,37.057 84.648,37.407 R33.2@84.648,37.465
NetR40_1: R40.1 R92.2 | length 4.9
  Top Layer w0.2: R40.1@91.763,22.098 92.339,22.098 92.456,22.215 92.456,23.632 93.208,24.384 93.208,24.902 93.091,25.019 92.263,25.019 R92.2@92.136,25.146
OBC_RST: MCU.30 R9.2 | length 99.4
  Top Layer w0.2: v1(15.303,31.559) 15.345,31.518 22.511,31.518 23.679,32.687 23.679,34.211 26.924,37.455 26.924,38.373 27.468,38.918 32.733,38.918 34.457,40.642 41.638,40.642 44.577,43.58 44.577,45.891 42.716,47.752 v1(41.656,47.752)
  VCC w0.2: v1(41.656,47.752) 41.656,49.2 43.891,51.435 48.905,51.435 50.203,52.734 78.588,52.734 78.967,52.354 80.121,52.354 80.501,52.734 82.188,52.734 83.347,53.892 90.741,53.892 90.957,53.677 91.65,53.677 v1(92.202,54.229)
  Bottom Layer w0.2: v1(15.303,31.559) 15.335,31.591 17.784,31.591 MCU.30@17.816,31.623 ; R9.2@92.202,53.663 v1(92.202,54.229)
OBC_RST_R: J1.10 R9.1 | length 4.6
  Bottom Layer w0.2: J1.10@89.047,50.673 89.047,51.223 89.649,51.825 90.401,51.825 90.753,52.178 92.23,52.178 R9.1@92.23,52.636
OPT_CS_N: MCU.24 SSM-OPTICAL.5 | length 58.1
  Top Layer w0.2: SSM-OPTICAL.5@60.325,21.359 60.325,22.606 60.579,22.86 62.738,22.86 v1(62.992,23.114)
  VCC w0.2: v1(37.211,24.765) 37.709,24.765 43.805,30.861 47.635,30.861 53.32,25.176 61.204,25.176 62.992,23.387 v1(62.992,23.114)
  Bottom Layer w0.2: MCU.24@19.316,26.123 19.316,22.936 19.662,22.59 25.14,22.59 25.67,23.12 25.67,23.13 26.53,23.99 36.713,23.99 37.211,24.488 v1(37.211,24.765)
OPT_DATA_RDY: MCU.25 SSM-OPTICAL.4 | length 67.1
  Top Layer w0.2: SSM-OPTICAL.4@59.055,18.641 59.055,17.892 59.676,17.271 60.974,17.271 61.468,16.777 v1(61.468,16.764)
  VCC w0.2: v1(37.846,24.076) 37.846,24.403 43.894,30.451 47.546,30.451 53.438,24.559 53.438,16.666 53.594,16.51 60.82,16.51 60.998,16.687 61.391,16.687 v1(61.468,16.764)
  Bottom Layer w0.2: MCU.25@17.816,27.623 17.272,27.623 17.272,23.612 18.646,22.238 25.286,22.238 26.022,22.974 26.022,22.984 26.676,23.638 37.408,23.638 v1(37.846,24.076)
OPT_RST_N: MCU.23 SSM-OPTICAL.9 | length 56.1
  Top Layer w0.2: SSM-OPTICAL.9@62.865,21.359 62.865,22.108 v1(63.794,23.037)
  VCC w0.2: v1(36.576,25.273) 36.62,25.317 37.763,25.317 43.659,31.213 47.781,31.213 53.466,25.528 61.359,25.528 63.794,23.093 v1(63.794,23.037)
  Bottom Layer w0.2: MCU.23@20.116,25.885 20.116,25.212 19.768,24.863 19.768,23.393 20.218,22.943 24.994,22.943 25.317,23.266 25.317,23.276 26.384,24.343 36.281,24.343 36.576,24.638 v1(36.576,25.273)
OUT1: R80.2 U12.3 | length 4.7
  Top Layer w0.2: U12.3@12.349,30.292 12.349,32.288 v1(12.7,32.639)
  Bottom Layer w0.2: v1(12.7,32.639) 12.973,32.639 13.488,32.123 13.488,31.343 13.536,31.295 R80.2@13.936,31.295
OUT2: R81.2 U12.5 | length 5.5
  Top Layer w0.2: U12.5@11.049,30.292 11.049,29.71 11.422,29.337 14.224,29.337 14.605,29.718 v1(14.732,29.718)
  Bottom Layer w0.2: R81.2@13.936,29.684 13.936,29.784 14.002,29.718 v1(14.732,29.718)
OUT3: R82.2 U12.7 | length 6.5
  Top Layer w0.2: U12.7@9.749,30.292 9.749,29.71 10.884,28.575 13.97,28.575 v1(14.478,28.067)
  Bottom Layer w0.2: R82.2@13.936,28.073 13.942,28.067 v1(14.478,28.067)
OUT4: R83.2 U12.9 | length 8.3
  Top Layer w0.2: U12.9@9.099,24.892 9.099,24.31 11.044,22.365 14.256,22.365 14.624,22.733 v1(14.732,22.733)
  Bottom Layer w0.2: R83.2@13.936,23.241 13.936,23.214 14.036,23.114 14.605,23.114 14.655,23.064 14.655,22.81 v1(14.732,22.733)
OUT5: R84.2 U12.11 | length 11
  Top Layer w0.2: U12.11@10.399,24.892 10.399,23.508 11.19,22.717 13.691,22.717 14.259,23.285 15.196,23.285 v1(15.748,22.733)
  Bottom Layer w0.2: R84.2@13.936,24.852 14.103,25.019 14.605,25.019 15.748,23.876 v1(15.748,22.733)
OUT6: R85.2 U12.13 | length 11.5
  Top Layer w0.2: U12.13@11.699,24.892 11.699,24.31 11.265,23.876 11.265,23.141 11.336,23.07 13.545,23.07 14.268,23.793 14.305,23.757 15.868,23.757 16.173,24.062 16.173,25.722 15.864,26.031 15.195,26.031 14.81,26.416 v1(14.732,26.416)
  Bottom Layer w0.2: R85.2@13.936,26.462 13.982,26.416 v1(14.732,26.416)
PAY_RST: "PROG <-> RUN.5" MCU.31 R8.2 R11.1 U12.2 | length 109.6
  Top Layer w0.2: U12.2@12.999,30.292 13.038,30.331 13.038,32.196 14.751,33.909 16.275,33.909 16.681,33.503 v1@16.681,32.468 ; v1(16.51,32.423) 16.51,32.639 v1@16.681,32.468 ; v1@16.681,32.423 v1@16.681,32.468 ; v1(42.926,51.308) 42.719,51.308 39.955,54.072 30.549,54.072 29.748,53.271 29.748,50.77 31.115,49.403 31.451,49.403 32.256,48.598 32.256,40.365 31.72,39.829 27.383,39.829 26.219,38.665 26.219,37.747 22.974,34.502 22.974,32.978 22.254,32.258 16.891,32.258 v1@16.681,32.468
  VCC w0.2: v1(42.926,51.308) 43.405,51.787 48.5,51.787 49.926,53.213 78.607,53.213 79.113,52.707 79.975,52.707 80.355,53.086 82.042,53.086 83.201,54.245 91.17,54.245 v1(91.186,54.229)
  Bottom Layer w0.2: R11.1@15.875,32.423 v1(16.51,32.423) MCU.31@17.816,32.423 ; R8.2@91.186,53.663 v1(91.186,54.229)
PAY_RST_R: J1.9 R8.1 | length 4.6
  Bottom Layer w0.2: J1.9@87.797,50.673 87.797,51.223 88.417,51.843 89.168,51.843 89.523,52.197 90.274,52.197 90.607,52.53 90.953,52.53 R8.1@91.186,52.763
PEX2_INTA: MCU.22 U6.16@79.207,23.398 | length 72.4
  VCC w0.2: v1(20.955,24.765) 20.955,20.193 21.209,19.939 46.101,19.939 v1(46.736,19.304)
  Bottom Layer w0.2: MCU.22@20.916,26.123 20.936,26.103 20.936,24.784 v1(20.955,24.765) ; v1(46.736,19.304) 47.39,19.304 48.203,18.491 48.203,16.567 48.685,16.085 75.55,16.085 78.082,18.617 78.082,20.857 78.276,21.051 78.276,22.859 78.582,23.165 78.684,23.165 78.916,23.398 U6.16@79.207,23.398
PEX_CS: MCU.17 R67.1 U6.7 | length 86.8
  Top Layer w0.2: v1(24.892,24.765) 25.654,24.003 25.654,21.571 28.535,18.69 33.008,18.69 36.586,15.113 52.334,15.113 52.555,15.335 52.555,17.672 52.762,17.878 53.927,17.878 54.127,18.078 54.585,18.078 54.807,17.857 55.168,17.857 v1(55.245,17.78) ; v1@79.756,17.037 v1(79.756,17.018) 80.772,17.018 81.026,17.272 81.788,17.272 82.346,17.83 82.346,18.211 v1(82.423,18.288)
  VCC w0.2: v1(55.245,17.78) 55.445,17.58 60.379,17.58 60.82,18.021 63.729,18.021 64.892,16.857 79.595,16.857 v1(79.756,17.018) ; v1(82.423,18.288) 82.614,18.098 83.353,18.837 83.77,18.837 84.994,20.061 v1(84.994,25.019)
  Bottom Layer w0.2: v1(24.892,24.765) 24.904,24.777 24.904,26.111 MCU.17@24.916,26.123 ; U6.7@84.877,24.048 84.877,24.902 v1(84.994,25.019) ; R67.1@85.413,29.464 85.979,29.464 ; R67.1@85.656,25.019 v1(84.994,25.019) ; U6.7@86.442,30.566 86.377,30.501 86.377,29.881 86.35,29.855 86.35,29.835 85.979,29.464 ; v1(84.994,25.019) 84.508,25.505 84.462,25.505 84.201,25.766 84.201,28.295 84.801,28.895 84.784,28.912 84.818,28.912 84.965,29.059 84.965,29.075 85.979,29.075 85.979,29.464
PEX_RST: MCU.18 R68.1 U6.14 | length 98.7
  Top Layer w0.2: v1(24.765,23.495) 25.273,22.987 25.273,21.453 28.389,18.338 32.862,18.338 36.44,14.761 52.48,14.761 52.908,15.189 52.908,17.526 v1(54.356,17.526)
  VCC w0.2: v1(54.356,17.526) 54.654,17.228 60.541,17.228 60.983,17.669 63.583,17.669 64.786,16.466 79.985,16.466 80.391,16.872 80.391,21.717 80.01,22.098 v1(77.724,22.098)
  Bottom Layer w0.2: MCU.18@24.116,26.123 24.116,24.76 24.765,24.111 v1(24.765,23.495) ; v1(77.724,22.098) 77.724,23.114 78.428,23.818 R68.1@78.428,24.765 ; U6.14@80.092,24.933 80.092,24.93 80.027,24.865 78.528,24.865 R68.1@78.428,24.765 ; U6.14@85.557,35.351 85.557,35.824 85.44,35.941 R68.1@84.651,35.941 84.099,36.493 82.721,36.493 81.534,35.306 81.179,35.306 80.925,35.052 78.01,35.052 77.515,34.557 77.515,26.498 78.428,25.585 78.428,24.865 R68.1@78.428,24.765
PR_CSn: MCU.3 R75.1 U9.3 | length 57.8
  Top Layer w0.2: v1(27.559,38.227) 27.813,38.481 32.795,38.481 34.603,40.289 42.829,40.289 v1(43.434,40.894)
  VCC w0.2: v1(20.828,36.449) 21.695,36.449 23.473,38.227 v1(27.559,38.227)
  Bottom Layer w0.2: v1(20.828,36.449) 20.872,36.405 20.872,34.767 MCU.3@20.916,34.723 ; v1(43.434,40.894) 43.436,40.892 57.513,40.892 61.208,37.198 61.208,28.898 60.661,28.351 U9.3@59.711,28.351 59.485,28.125 R75.1@57.531,28.125
RS: R17.1 R18.2 U2.8 | length 2.7
  Bottom Layer w0.2: R17.1@103.886,51.308 103.891,51.303 104.77,51.303 R18.2@104.775,51.297 106.609,51.297 U2.8@106.62,51.308
RS_IN: R17.2
RST_PROG: "PROG <-> RUN.4" J3.5 | length 8.9
  Bottom Layer w0.2: 28.575,49.403 29.716,48.262 29.716,42.164 29.081,41.529 J3.5@28.829,41.529
RST_SW: "PROG <-> RUN.6" RST.1 | length 7.6
  Bottom Layer w0.2: 33.655,49.403 34.798,50.546 37.452,50.546 RST.1@37.516,50.61 RST.1@40.716,50.61
RX_SW: "PROG <-> RUN.3" J4.1 J4.3 | length 21.5
  Bottom Layer w0.2: J4.3@19.431,44.069 J4.1@21.971,44.069 27.178,49.276 27.178,53.467 27.94,54.229 32.131,54.229 33.655,52.705
RXCAN: MCU.7 R13.2 | length 92.1
  Bottom Layer w0.2: MCU.7@24.116,34.723 24.116,35.927 27.222,39.033 34.588,39.033 38.551,42.996 43.25,42.996 44.099,43.845 48.647,43.845 48.842,44.04 100.038,44.04 101.381,45.383 101.752,45.383 107.965,45.383 108.937,46.355 R13.2@110.675,46.355
RXD_R: R13.1 U2.4 | length 1.8
  Bottom Layer w0.2: R13.1@111.575,46.355 112.024,46.355 112.141,46.472 112.141,47.298 111.941,47.498 U2.4@111.82,47.498